# Altium PCB 1166V10.PcbDoc (part 4 of 6)
Units mm, origin at the board's own origin, x right, y up, seen from the top; angles counter-clockwise.
Board outline 155.98 x 100 mm, 8 copper layers (Top Layer, Layer 1, Layer 2, Layer 3, Layer 4, Layer 5, Layer 6, Bottom Layer), stack 1.6 mm thick; 455 components, 271 nets, 1649 pads, 2175 vias.
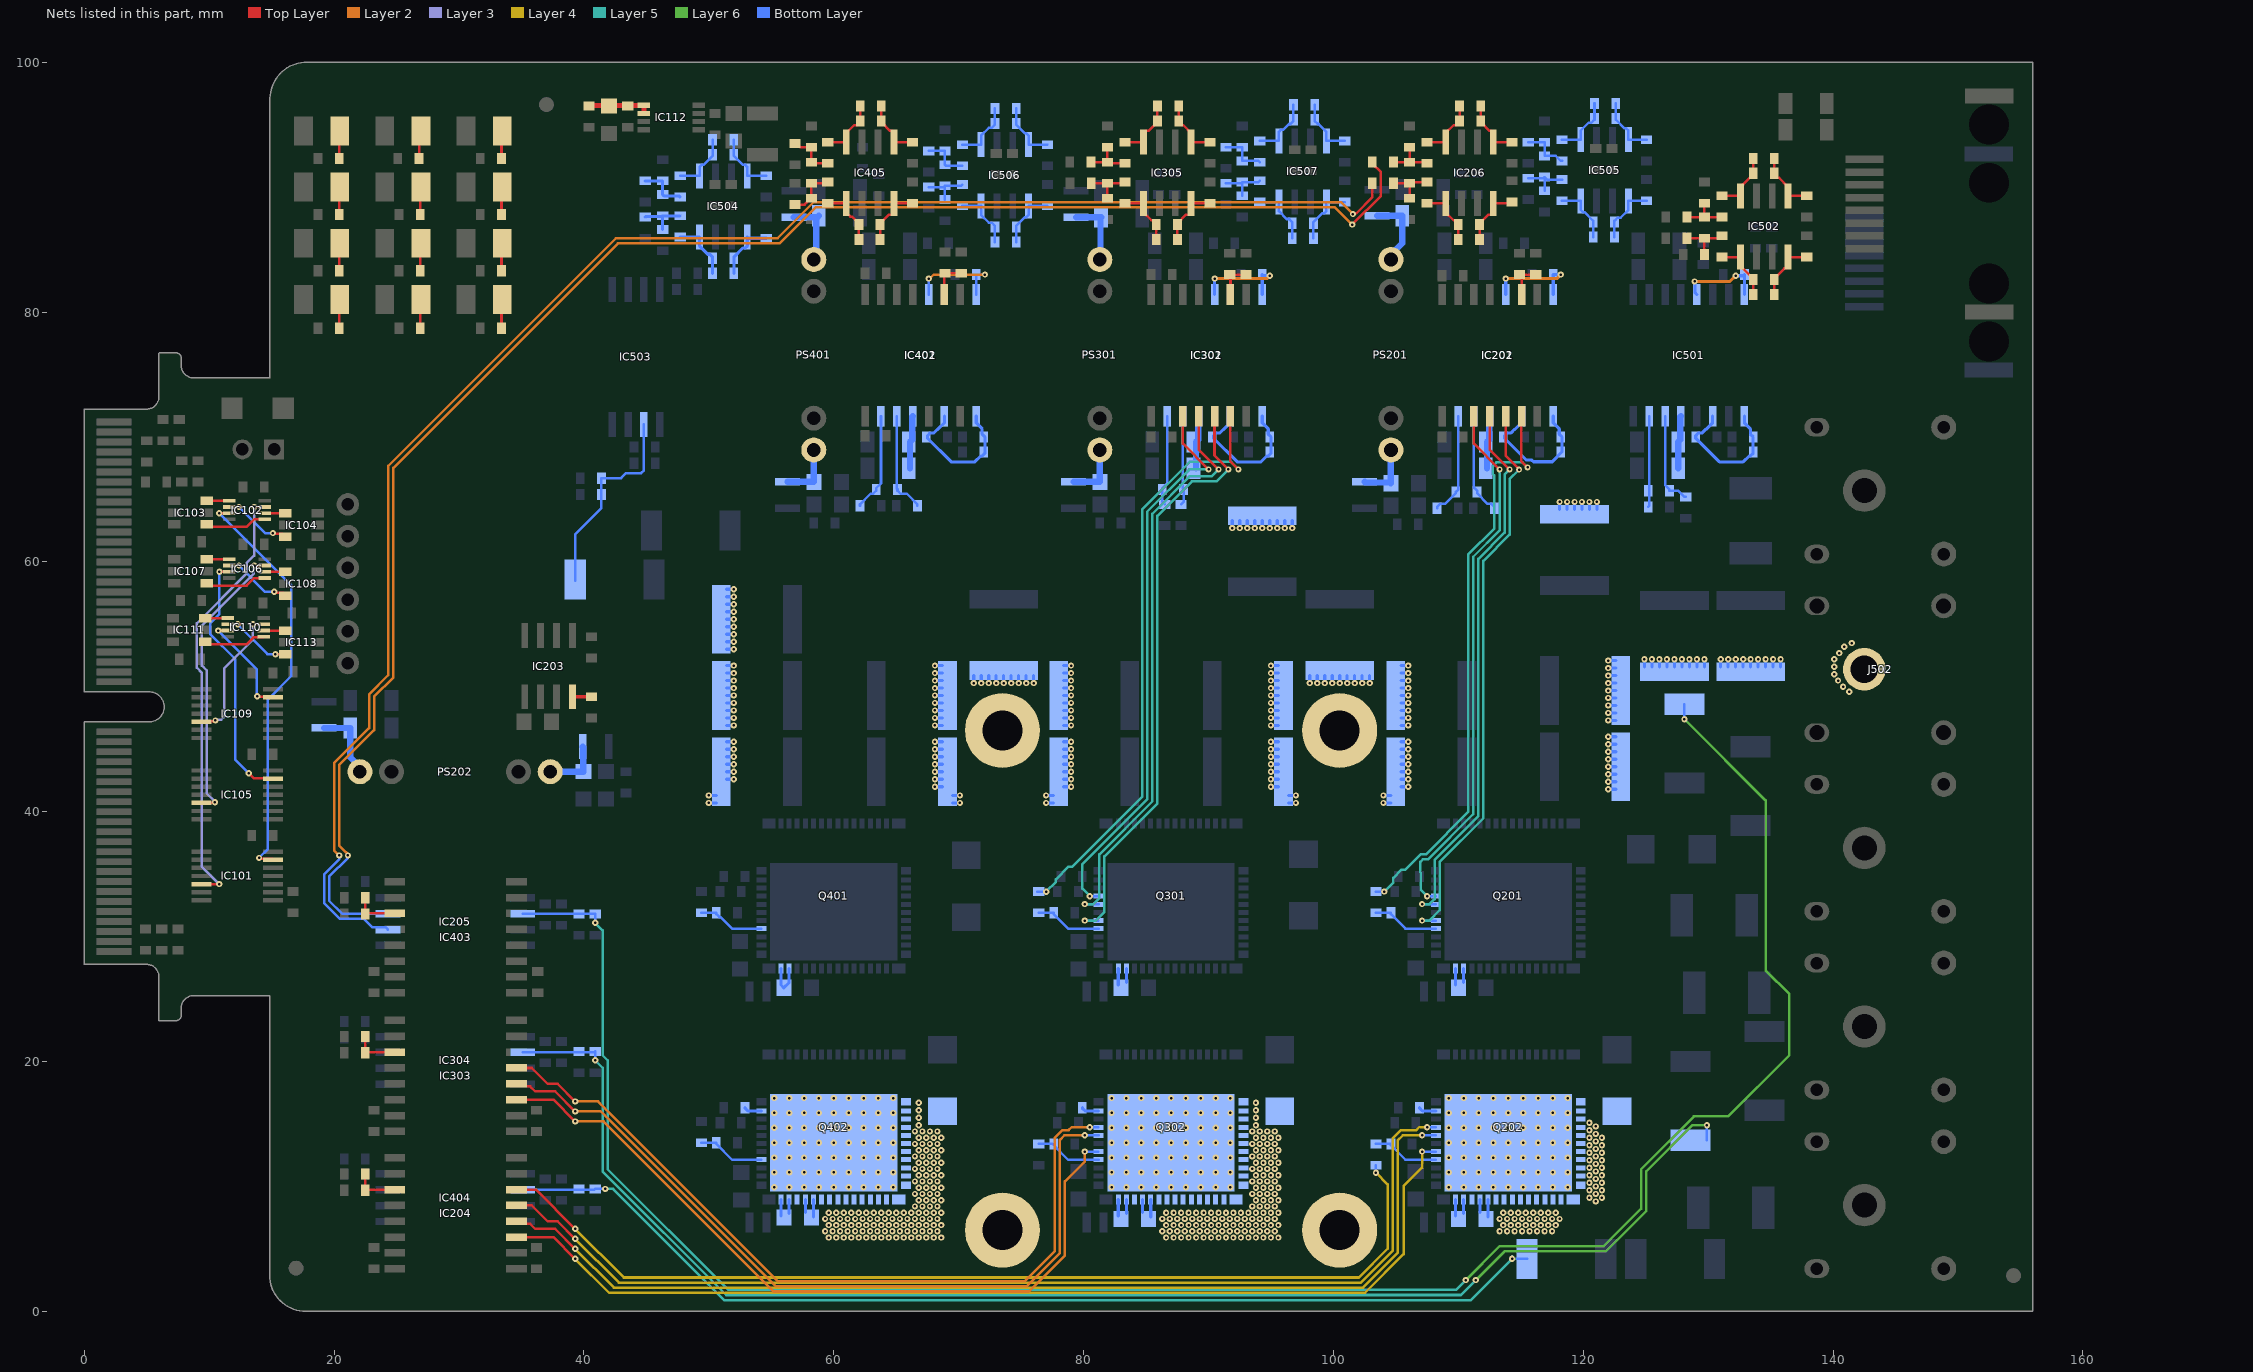
[diagram p10: the nets of this part, all layers, seen from the top]

## Via types
v1: diameter 0.5, hole 0.2, Top Layer to Bottom Layer, 2175 vias

## Nets (pads, with @x,y where several pads share a name; then routed paths per layer and width w, separated by ;. In a path a pad name is that pad's centre, name@x,y a point inside that pad or via, vN(x,y) a via of type N, cw(c..) or ccw(c..) an arc to the next point about the centre after c; other vN are vias at no path point) (continued)
MP: C202.2 C203.2 C204.2 C205.2 C227.2 C302.2 C303.2 C304.2 C305.2 C324.2 C402.2 C403.2 C404.2 C405.2 C424.2 C521.2 C522.2 C523.2 C524.2 C525.2 C526.2 C527.2 D206.1 D306.1 D406.1 J502.1 JX101.1 JX102.1 JX103.1 JX104.1 Q202.17 Q202.18 Q202.19 Q202.20 Q202.21 Q202.22 Q202.23 Q202.24 Q202.25 Q202.26 Q202.27 Q202.28 Q202.29 Q202.30 Q202.31 Q202.32 Q202.33 Q202.34 Q202.35 Q202.36 Q202.37 Q202.38 Q202.39 Q202.40 Q202.55 Q302.17 Q302.18 Q302.19 Q302.20 Q302.21 Q302.22 Q302.23 Q302.24 Q302.25 Q302.26 Q302.27 Q302.28 Q302.29 Q302.30 Q302.31 Q302.32 Q302.33 Q302.34 Q302.35 Q302.36 Q302.37 Q302.38 Q302.39 Q302.40 Q302.55 Q402.17 Q402.18 Q402.19 Q402.20 Q402.21 Q402.22 Q402.23 Q402.24 Q402.25 Q402.26 Q402.27 Q402.28 Q402.29 Q402.30 Q402.31 Q402.32 Q402.33 Q402.34 Q402.35 Q402.36 Q402.37 Q402.38 Q402.39 Q402.40 Q402.55 | length 106.8
  Bottom Layer w0.254: v1(50,40.7) C404.2@50.6,40.7 ; v1(50,41.3) C404.2@50.6,41.3 ; C404.2@51.4,42.6 v1(52,42.6) ; C404.2@51.4,43.2 v1(52,43.2) ; C404.2@51.4,43.8 v1(52,43.8) ; C404.2@51.4,44.4 v1(52,44.4) ; C404.2@51.4,45 v1(52,45) ; C404.2@51.4,45.6 v1(52,45.6) ; C403.2@51.4,46.9 v1(52,46.9) ; C403.2@51.4,47.5 v1(52,47.5) ; C403.2@51.4,48.1 v1(52,48.1) ; C403.2@51.4,48.7 v1(52,48.7) ; C403.2@51.4,49.3 v1(52,49.3) ; C403.2@51.4,49.9 v1(52,49.9) ; C403.2@51.4,50.5 v1(52,50.5) ; C403.2@51.4,51.1 v1(52,51.1) ; C403.2@51.4,51.7 v1(52,51.7) ; C521.2@51.4,53 v1(52,53) ; C521.2@51.4,53.6 v1(52,53.6) ; C521.2@51.4,54.2 v1(52,54.2) ; C521.2@51.4,54.8 v1(52,54.8) ; C521.2@51.4,55.4 v1(52,55.4) ; C521.2@51.4,56 v1(52,56) ; C521.2@51.4,56.6 v1(52,56.6) ; C521.2@51.4,57.2 v1(52,57.2) ; C521.2@51.4,57.8 v1(52,57.8) ; C424.2@57.725,7.925 Q402.39@57.725,8.95 ; C424.2@58.375,7.575 Q402.38@58.375,8.95 ; v1(68.1,42) C402.2@68.7,42 ; v1(68.1,42.6) C402.2@68.7,42.6 ; v1(68.1,43.2) C402.2@68.7,43.2 ; v1(68.1,43.8) C402.2@68.7,43.8 ; v1(68.1,44.4) C402.2@68.7,44.4 ; v1(68.1,45) C402.2@68.7,45 ; v1(68.1,45.6) C402.2@68.7,45.6 ; v1(68.1,46.9) C405.2@68.7,46.9 ; v1(68.1,47.5) C405.2@68.7,47.5 ; v1(68.1,48.1) C405.2@68.7,48.1 ; v1(68.1,48.7) C405.2@68.7,48.7 ; v1(68.1,49.3) C405.2@68.7,49.3 ; v1(68.1,49.9) C405.2@68.7,49.9 ; v1(68.1,50.5) C405.2@68.7,50.5 ; v1(68.1,51.1) C405.2@68.7,51.1 ; v1(68.1,51.7) C405.2@68.7,51.7 ; C402.2@69.5,40.7 v1(70.1,40.7) ; C402.2@69.5,41.3 v1(70.1,41.3) ; v1(71.2,50.3) C525.2@71.2,50.9 ; v1(71.8,50.3) C525.2@71.8,50.9 ; v1(72.4,50.3) C525.2@72.4,50.9 ; v1(73,50.3) C525.2@73,50.9 ; v1(73.6,50.3) C525.2@73.6,50.9 ; v1(74.2,50.3) C525.2@74.2,50.9 ; v1(74.8,50.3) C525.2@74.8,50.9 ; v1(75.4,50.3) C525.2@75.4,50.9 ; v1(76,50.3) C525.2@76,50.9 ; v1(77,40.7) C303.2@77.6,40.7 ; v1(77,41.3) C303.2@77.6,41.3 ; C303.2@78.4,42 v1(79,42) ; C303.2@78.4,42.6 v1(79,42.6) ; C303.2@78.4,43.2 v1(79,43.2) ; C303.2@78.4,43.8 v1(79,43.8) ; C303.2@78.4,44.4 v1(79,44.4) ; C303.2@78.4,45 v1(79,45) ; C303.2@78.4,45.6 v1(79,45.6) ; C304.2@78.4,46.9 v1(79,46.9) ; C304.2@78.4,47.5 v1(79,47.5) ; C304.2@78.4,48.1 v1(79,48.1) ; C304.2@78.4,48.7 v1(79,48.7) ; C304.2@78.4,49.3 v1(79,49.3) ; C304.2@78.4,49.9 v1(79,49.9) ; C304.2@78.4,50.5 v1(79,50.5) ; C304.2@78.4,51.1 v1(79,51.1) ; C304.2@78.4,51.7 v1(79,51.7) ; C324.2@84.725,7.925 Q302.39@84.725,8.95 ; C324.2@85.375,7.575 Q302.38@85.375,8.95 ; v1(91.9,62.7) C523.2@91.9,63.3 ; v1(92.5,62.7) C523.2@92.5,63.3 ; v1(93.1,62.7) C523.2@93.1,63.3 ; v1(93.7,62.7) C523.2@93.7,63.3 ; v1(94.3,62.7) C523.2@94.3,63.3 ; v1(94.9,62.7) C523.2@94.9,63.3 ; v1(95,42) C302.2@95.6,42 ; v1(95,42.6) C302.2@95.6,42.6 ; v1(95,43.2) C302.2@95.6,43.2 ; v1(95,43.8) C302.2@95.6,43.8 ; v1(95,44.4) C302.2@95.6,44.4 ; v1(95,45) C302.2@95.6,45 ; v1(95,45.6) C302.2@95.6,45.6 ; v1(95,46.9) C305.2@95.6,46.9 ; v1(95,47.5) C305.2@95.6,47.5 ; v1(95,48.1) C305.2@95.6,48.1 ; v1(95,48.7) C305.2@95.6,48.7 ; v1(95,49.3) C305.2@95.6,49.3 ; v1(95,49.9) C305.2@95.6,49.9 ; v1(95,50.5) C305.2@95.6,50.5 ; v1(95,51.1) C305.2@95.6,51.1 ; v1(95,51.7) C305.2@95.6,51.7 ; v1(95.5,62.7) C523.2@95.5,63.3 ; v1(96.1,62.7) C523.2@96.1,63.3 ; C302.2@96.4,40.7 v1(97,40.7) ; C302.2@96.4,41.3 v1(97,41.3) ; v1(96.7,62.7) C523.2@96.7,63.3 ; v1(98.1,50.3) C526.2@98.1,50.9 ; v1(98.7,50.3) C526.2@98.7,50.9 ; v1(99.3,50.3) C526.2@99.3,50.9 ; v1(99.9,50.3) C526.2@99.9,50.9 ; v1(100.5,50.3) C526.2@100.5,50.9 ; v1(101.1,50.3) C526.2@101.1,50.9 ; v1(101.7,50.3) C526.2@101.7,50.9 ; v1(102.3,50.3) C526.2@102.3,50.9 ; v1(102.9,50.3) C526.2@102.9,50.9 ; v1(104,40.7) C203.2@104.6,40.7 ; v1(104,41.3) C203.2@104.6,41.3 ; C203.2@105.4,42 v1(106,42) ; C203.2@105.4,42.6 v1(106,42.6) ; C203.2@105.4,43.2 v1(106,43.2) ; C203.2@105.4,43.8 v1(106,43.8) ; C203.2@105.4,44.4 v1(106,44.4) ; C203.2@105.4,45 v1(106,45) ; C203.2@105.4,45.6 v1(106,45.6) ; C204.2@105.4,46.9 v1(106,46.9) ; C204.2@105.4,47.5 v1(106,47.5) ; C204.2@105.4,48.1 v1(106,48.1) ; C204.2@105.4,48.7 v1(106,48.7) ; C204.2@105.4,49.3 v1(106,49.3) ; C204.2@105.4,49.9 v1(106,49.9) ; C204.2@105.4,50.5 v1(106,50.5) ; C204.2@105.4,51.1 v1(106,51.1) ; C204.2@105.4,51.7 v1(106,51.7) ; C227.2@111.725,7.925 Q202.39@111.725,8.95 ; C227.2@112.375,7.575 Q202.38@112.375,8.95 ; C522.2@118.1,64.2 v1(118.1,64.8) ; C522.2@118.7,64.2 v1(118.7,64.8) ; C522.2@119.3,64.2 v1(119.3,64.8) ; C522.2@119.9,64.2 v1(119.9,64.8) ; C522.2@120.5,64.2 v1(120.5,64.8) ; C522.2@121.1,64.2 v1(121.1,64.8) ; v1(122,41.8) C202.2@122.6,41.8 ; v1(122,42.4) C202.2@122.6,42.4 ; v1(122,43) C202.2@122.6,43 ; v1(122,43.6) C202.2@122.6,43.6 ; v1(122,44.2) C202.2@122.6,44.2 ; v1(122,44.8) C202.2@122.6,44.8 ; v1(122,45.4) C202.2@122.6,45.4 ; v1(122,46) C202.2@122.6,46 ; v1(122,47.3) C205.2@122.6,47.3 ; v1(122,47.9) C205.2@122.6,47.9 ; v1(122,48.5) C205.2@122.6,48.5 ; v1(122,49.1) C205.2@122.6,49.1 ; v1(122,49.7) C205.2@122.6,49.7 ; v1(122,50.3) C205.2@122.6,50.3 ; v1(122,50.9) C205.2@122.6,50.9 ; v1(122,51.5) C205.2@122.6,51.5 ; v1(122,52.1) C205.2@122.6,52.1 ; C524.2@124.9,51.6 v1(124.9,52.2) ; C524.2@125.5,51.6 v1(125.5,52.2) ; C524.2@126.1,51.6 v1(126.1,52.2) ; C524.2@126.7,51.6 v1(126.7,52.2) ; C524.2@127.3,51.6 v1(127.3,52.2) ; C524.2@127.9,51.6 v1(127.9,52.2) ; C524.2@128.5,51.6 v1(128.5,52.2) ; C524.2@129.1,51.6 v1(129.1,52.2) ; C524.2@129.7,51.6 v1(129.7,52.2) ; C527.2@131,51.6 v1(131,52.2) ; C527.2@131.6,51.6 v1(131.6,52.2) ; C527.2@132.2,51.6 v1(132.2,52.2) ; C527.2@132.8,51.6 v1(132.8,52.2) ; C527.2@133.4,51.6 v1(133.4,52.2) ; C527.2@134,51.6 v1(134,52.2) ; C527.2@134.6,51.6 v1(134.6,52.2) ; C527.2@135.2,51.6 v1(135.2,52.2) ; C527.2@135.8,51.6 v1(135.8,52.2)
  other v1: 59.6,5.9 60.2,5.9 60.8,5.9 61.4,5.9 62,5.9 62.6,5.9 63.2,5.9 63.8,5.9 64.4,5.9 65,5.9 65.6,5.9 66.2,5.9 66.8,5.9 67.4,5.9 68,5.9 68.6,5.9 86.6,5.9 87.2,5.9 87.8,5.9 88.4,5.9 89,5.9 89.6,5.9 90.2,5.9 90.8,5.9 91.4,5.9 92,5.9 92.6,5.9 93.2,5.9 93.8,5.9 94.4,5.9 95,5.9 95.6,5.9 59.3,6.4 59.9,6.4 60.5,6.4 61.1,6.4 61.7,6.4 62.3,6.4 62.9,6.4 63.5,6.4 64.1,6.4 64.7,6.4 65.3,6.4 65.9,6.4 66.5,6.4 67.1,6.4 67.7,6.4 68.3,6.4 86.3,6.4 86.9,6.4 87.5,6.4 88.1,6.4 88.7,6.4 89.3,6.4 89.9,6.4 90.5,6.4 91.1,6.4 91.7,6.4 92.3,6.4 92.9,6.4 93.5,6.4 94.1,6.4 94.7,6.4 95.3,6.4 113.3,6.4 113.9,6.4 114.5,6.4 115.1,6.4 115.7,6.4 116.3,6.4 116.9,6.4 117.5,6.4 59.6,6.9 60.2,6.9 60.8,6.9 61.4,6.9 62,6.9 62.6,6.9 63.2,6.9 63.8,6.9 64.4,6.9 65,6.9 65.6,6.9 66.2,6.9 66.8,6.9 67.4,6.9 68,6.9 68.6,6.9 86.6,6.9 87.2,6.9 87.8,6.9 88.4,6.9 89,6.9 89.6,6.9 90.2,6.9 90.8,6.9 91.4,6.9 92,6.9 92.6,6.9 93.2,6.9 93.8,6.9 94.4,6.9 95,6.9 95.6,6.9 113.6,6.9 114.2,6.9 114.8,6.9 115.4,6.9 116,6.9 116.6,6.9 117.2,6.9 117.8,6.9 59.3,7.4 59.9,7.4 60.5,7.4 61.1,7.4 61.7,7.4 62.3,7.4 62.9,7.4 63.5,7.4 64.1,7.4 64.7,7.4 65.3,7.4 65.9,7.4 66.5,7.4 67.1,7.4 67.7,7.4 68.3,7.4 86.3,7.4 86.9,7.4 87.5,7.4 88.1,7.4 88.7,7.4 89.3,7.4 89.9,7.4 90.5,7.4 91.1,7.4 91.7,7.4 92.3,7.4 92.9,7.4 93.5,7.4 94.1,7.4 94.7,7.4 95.3,7.4 113.3,7.4 113.9,7.4 114.5,7.4 115.1,7.4 115.7,7.4 116.3,7.4 116.9,7.4 117.5,7.4 118.1,7.4 59.6,7.9 60.2,7.9 60.8,7.9 61.4,7.9 62,7.9 62.6,7.9 63.2,7.9 63.8,7.9 64.4,7.9 65,7.9 65.6,7.9 66.2,7.9 66.8,7.9 67.4,7.9 68,7.9 68.6,7.9 86.6,7.9 87.2,7.9 87.8,7.9 88.4,7.9 89,7.9 89.6,7.9 90.2,7.9 90.8,7.9 91.4,7.9 92,7.9 92.6,7.9 93.2,7.9 93.8,7.9 94.4,7.9 95,7.9 95.6,7.9 113.6,7.9 114.2,7.9 114.8,7.9 115.4,7.9 116,7.9 116.6,7.9 117.2,7.9 117.8,7.9 66.5,8.4 67.1,8.4 67.7,8.4 68.3,8.4 93.5,8.4 94.1,8.4 94.7,8.4 95.3,8.4 121,8.8 66.8,8.9 67.4,8.9 68,8.9 68.6,8.9 93.8,8.9 94.4,8.9 95,8.9 95.6,8.9 120.5,9.1 121.5,9.1 66.5,9.4 67.1,9.4 67.7,9.4 68.3,9.4 93.5,9.4 94.1,9.4 94.7,9.4 95.3,9.4 121,9.4 120.5,9.7 121.5,9.7 66.8,9.9 67.4,9.9 68,9.9 68.6,9.9 93.8,9.9 94.4,9.9 95,9.9 95.6,9.9 55.24,9.93 56.43,9.93 57.62,9.93 58.81,9.93 60,9.93 61.19,9.93 62.38,9.93 63.57,9.93 64.76,9.93 82.24,9.93 83.43,9.93 84.62,9.93 85.81,9.93 87,9.93 88.19,9.93 89.38,9.93 90.57,9.93 91.76,9.93 109.24,9.93 110.43,9.93 111.62,9.93 112.81,9.93 114,9.93 115.19,9.93 116.38,9.93 117.57,9.93 118.76,9.93 121,10 120.5,10.3 121.5,10.3 66.5,10.4 67.1,10.4 67.7,10.4 68.3,10.4 93.5,10.4 94.1,10.4 94.7,10.4 95.3,10.4 121,10.6 66.8,10.9 67.4,10.9 68,10.9 68.6,10.9 93.8,10.9 94.4,10.9 95,10.9 95.6,10.9 120.5,10.9 121.5,10.9 55.24,11.12 56.43,11.12 57.62,11.12 58.81,11.12 60,11.12 61.19,11.12 62.38,11.12 63.57,11.12 64.76,11.12 82.24,11.12 83.43,11.12 84.62,11.12 85.81,11.12 87,11.12 88.19,11.12 89.38,11.12 90.57,11.12 91.76,11.12 109.24,11.12 110.43,11.12 111.62,11.12 112.81,11.12 114,11.12 115.19,11.12 116.38,11.12 117.57,11.12 118.76,11.12 121,11.2 66.5,11.4 67.1,11.4 67.7,11.4 68.3,11.4 93.5,11.4 94.1,11.4 94.7,11.4 95.3,11.4 120.5,11.5 121.5,11.5 121,11.8 66.8,11.9 67.4,11.9 68,11.9 68.6,11.9 93.8,11.9 94.4,11.9 95,11.9 95.6,11.9 120.5,12.1 121.5,12.1 55.24,12.31 56.43,12.31 57.62,12.31 58.81,12.31 60,12.31 61.19,12.31 62.38,12.31 63.57,12.31 64.76,12.31 82.24,12.31 83.43,12.31 84.62,12.31 85.81,12.31 87,12.31 88.19,12.31 89.38,12.31 90.57,12.31 91.76,12.31 109.24,12.31 110.43,12.31 111.62,12.31 112.81,12.31 114,12.31 115.19,12.31 116.38,12.31 117.57,12.31 118.76,12.31 66.5,12.4 67.1,12.4 67.7,12.4 68.3,12.4 93.5,12.4 94.1,12.4 94.7,12.4 95.3,12.4 121,12.4 120.5,12.7 121.5,12.7 66.8,12.9 67.4,12.9 68,12.9 68.6,12.9 93.8,12.9 94.4,12.9 95,12.9 95.6,12.9 121,13 120.5,13.3 121.5,13.3 66.5,13.4 67.1,13.4 67.7,13.4 68.3,13.4 93.5,13.4 94.1,13.4 94.7,13.4 95.3,13.4 55.24,13.5 56.43,13.5 57.62,13.5 58.81,13.5 60,13.5 61.19,13.5 62.38,13.5 63.57,13.5 64.76,13.5 82.24,13.5 83.43,13.5 84.62,13.5 85.81,13.5 87,13.5 88.19,13.5 89.38,13.5 90.57,13.5 91.76,13.5 109.24,13.5 110.43,13.5 111.62,13.5 112.81,13.5 114,13.5 115.19,13.5 116.38,13.5 117.57,13.5 118.76,13.5 121,13.6 66.8,13.9 67.4,13.9 68,13.9 68.6,13.9 93.8,13.9 94.4,13.9 95,13.9 95.6,13.9 120.5,13.9 121.5,13.9 121,14.2 66.5,14.4 67.1,14.4 67.7,14.4 68.3,14.4 93.5,14.4 94.1,14.4 94.7,14.4 95.3,14.4 120.5,14.5 55.24,14.69 56.43,14.69 57.62,14.69 58.81,14.69 60,14.69 61.19,14.69 62.38,14.69 63.57,14.69 64.76,14.69 82.24,14.69 83.43,14.69 84.62,14.69 85.81,14.69 87,14.69 88.19,14.69 89.38,14.69 90.57,14.69 91.76,14.69 109.24,14.69 110.43,14.69 111.62,14.69 112.81,14.69 114,14.69 115.19,14.69 116.38,14.69 117.57,14.69 118.76,14.69 121,14.8 66.8,14.9 93.8,14.9 120.5,15.1 66.8,15.5 93.8,15.5 55.24,15.88 56.43,15.88 57.62,15.88 58.81,15.88 60,15.88 61.19,15.88 62.38,15.88 63.57,15.88 64.76,15.88 82.24,15.88 83.43,15.88 84.62,15.88 85.81,15.88 87,15.88 88.19,15.88 89.38,15.88 90.57,15.88 91.76,15.88 109.24,15.88 110.43,15.88 111.62,15.88 112.81,15.88 114,15.88 115.19,15.88 116.38,15.88 117.57,15.88 118.76,15.88 66.8,16.1 93.8,16.1 66.8,16.7 93.8,16.7 55.24,17.07 56.43,17.07 57.62,17.07 58.81,17.07 60,17.07 61.19,17.07 62.38,17.07 63.57,17.07 64.76,17.07 82.24,17.07 83.43,17.07 84.62,17.07 85.81,17.07 87,17.07 88.19,17.07 89.38,17.07 90.57,17.07 91.76,17.07 109.24,17.07 110.43,17.07 111.62,17.07 112.81,17.07 114,17.07 115.19,17.07 116.38,17.07 117.57,17.07 118.76,17.07 141.3,49.6 140.8,50 140.4,50.5 140.1,51 140.1,51.6 140.1,52.2 140.5,52.7 140.9,53.2 141.5,53.5
NetC101_2: C101.2 C102.2 IC112.1 IC112.2 L101.2 | length 5.1
  Top Layer w0.381: L101.2@40.4,96.5 40.431,96.531 44.781,96.531 IC112.1@44.8,96.55 IC112.2@44.8,95.9
NetC207_2: C207.2 L201.2 PS201.1 | length 5.9
  Bottom Layer w0.508: L201.2@103.5,87.7 C207.2@105.5,87.7 105.5,85.504 104.6,84.604 PS201.1@104.6,84.2
NetC210_2: C210.2 Q201.41 Q201.42 | length 2.4
  Bottom Layer w0.254: C210.2@109.775,26.125 Q201.42@109.775,27.45 ; C210.2@110.425,26.325 Q201.41@110.425,27.45
NetC211_2: C211.2 IC201.13 IC201.16 | length 8
  Layer 2 w0.254: v1(113.79,82.678) 117.878,82.678 v1(118.2,83)
  Bottom Layer w0.254: IC201.13@113.79,81.4 v1(113.79,82.678) ; IC201.16@117.6,81.4 C211.2@117.6,83 v1(118.2,83)
NetC214_2: C214.2 Q201.47 R206.1 | length 5.4
  Bottom Layer w0.203: R206.1@103.4,31.9 C214.2@104.6,31.9 104.6,31.8 105.765,30.635 Q201.47@108.2,30.635
NetC215_1: C215.1 C216.1 C217.1 IC201.1 IC201.3 | length 11.4
  Bottom Layer w0.254: IC201.3@115.06,71.65 115.06,71.125 114.535,70.6 114.5,70.6 114.223,70.323 113.923,70.323 113.7,70.1 113.7,70 113.7,69.9 115.46,68.14 115.893,68.14 116.013,68.02 117.52,68.02 118.3,68.8 118.3,70 118.077,70.223 118.077,70.648 117.6,71.125 IC201.1@117.6,71.65
NetC218_1: C218.1 C219.1 IC201.5 | length 4.2
  Bottom Layer w0.508: C218.1@112.3,67.5 112.3,69.6 112.474,69.774 112.474,71.604 IC201.5@112.52,71.65
NetC220_1: C220.1 IC201.7 R210.2 | length 8.3
  Bottom Layer w0.203: R210.2@108.3,64.3 108.3,64.4 108.548,64.648 108.948,64.648 109.8,65.5 C220.1@109.8,65.6 110,65.8 110,68.8 109.98,68.82 IC201.7@109.98,71.65
NetC220_2: C220.2 IC201.6 R209.2 | length 8.2
  Bottom Layer w0.203: IC201.6@111.25,71.65 111.25,65.95 111.5,65.7 C220.2@111.5,65.6 111.5,65.5 112.352,64.648 112.652,64.648 112.9,64.4 R209.2@112.9,64.3
NetC221_2: C221.2 IC202.11 R208.1 | length 3
  Top Layer w0.203: IC202.11@115.06,81.4 115.06,82.84 R208.1@114.9,83 C221.2@116.2,83
NetC223_2: C223.2 L204.2 PS202.1 | length 5.9
  Bottom Layer w0.508: L204.2@19.2,46.7 C223.2@21.3,46.7 21.3,44.364 22.06,43.604 PS202.1@22.06,43.2
NetC226_2: C226.2 Q202.53 | length 1.4
  Bottom Layer w0.254: C226.2@106.9,16.3 106.9,16.258 107.123,16.035 Q202.53@108.2,16.035
NetC227_1: C227.1 Q202.41 Q202.42 | length 2.4
  Bottom Layer w0.254: C227.1@109.775,7.625 Q202.42@109.775,8.95 ; C227.1@110.425,7.825 Q202.41@110.425,8.95
NetC229_2: C229.2 IC203.4 | length 1.5
  Top Layer w0.254: IC203.4@39.07,49.2 C229.2@40.6,49.2
NetC230_2: C230.2 Q202.47 R213.1 | length 5.4
  Bottom Layer w0.203: R213.1@103.4,13.4 C230.2@104.6,13.4 104.6,13.3 105.765,12.135 Q202.47@108.2,12.135
NetC231_2: C231.2 IC204.11 R214.1 | length 3.7
  Top Layer w0.203: C231.2@22.5,11 R214.1@22.5,9.7 22.55,9.75 IC204.11@24.85,9.75
NetC232_1: C232.1 IC206.8 R215.1 R217.2 | length 5
  Top Layer w0.203: R217.2@107.5,93.6 IC206.8@108.99,93.6 108.99,94.325 109.617,94.952 109.852,94.952 110.1,95.2 R215.1@110.1,96.5
NetC232_2: C232.2 IC206.5 R215.2 R216.1 | length 4.9
  Top Layer w0.203: R215.2@111.8,96.5 C232.2@111.8,95.3 111.8,95.2 112.502,94.498 112.627,94.498 112.8,94.325 IC206.5@112.8,93.6 R216.1@114.3,93.6
NetC233_1: C233.1 C234.2 R217.1 R218.2 | length 3.9
  Top Layer w0.203: R218.2@104.8,92 C234.2@106.1,92 ; C233.1@106.1,93.2 C234.2@106.1,92 ; R217.1@107.5,91.9 107.4,92 C234.2@106.1,92
NetC234_1: C234.1 C236.2 R222.1 R223.2 | length 3.9
  Top Layer w0.203: R223.2@104.8,90.3 C234.1@106.1,90.3 ; C236.2@106.1,89.1 C234.1@106.1,90.3 ; R222.1@107.5,90.4 106.2,90.4 C234.1@106.1,90.3
NetC235_2: C235.2 IC205.2 R219.1 R224.1 | length 166.5
  Layer 6 w0.203: v1(110.6,2.5) 113.306,5.206 121.632,5.206 124.642,8.217 124.642,11.382 128.86,15.6 131.6,15.6 136.5,20.5 136.5,25.4 134.6,27.3 134.6,40.9 v1(128.1,47.4)
  Layer 5 w0.203: v1(40.9,31.1) 41.5,30.5 41.5,20.5 41.906,20.094 41.906,11.368 51.562,1.713 109.813,1.713 v1(110.6,2.5)
  Bottom Layer w0.203: IC205.2@35.1,31.83 35.115,31.815 R224.1@40.9,31.815 ; v1(40.9,31.1) R224.1@40.9,31.8 ; v1(128.1,47.4) R219.1@128.1,48.6
NetC237_1: C237.1 IC206.1 R222.2 R225.1 | length 4.9
  Top Layer w0.203: R222.2@107.5,88.7 IC206.1@108.99,88.7 108.99,87.975 109.617,87.348 109.752,87.348 110,87.1 C237.1@110,87 R225.1@110,85.8
NetC237_2: C237.2 IC206.4 R221.1 R225.2 | length 5
  Top Layer w0.203: R225.2@111.7,85.8 C237.2@111.7,87 111.7,87.1 112.402,87.802 112.627,87.802 112.8,87.975 IC206.4@112.8,88.7 R221.1@114.3,88.7
NetC307_2: C307.2 L301.2 PS301.1 | length 5.3
  Bottom Layer w0.508: L301.2@79.4,87.6 C307.2@81.4,87.6 81.35,87.55 81.35,84.35 PS301.1@81.3,84.3
NetC310_1: C310.1 Q301.41 Q301.42 | length 2.4
  Bottom Layer w0.254: C310.1@82.775,26.125 Q301.42@82.775,27.45 ; C310.1@83.425,26.325 Q301.41@83.425,27.45
NetC311_2: C311.2 IC301.13 IC301.16 | length 8
  Top Layer w0.254: v1(90.49,82.678) v1@90.5,82.668
  Layer 2 w0.254: v1(90.49,82.678) 94.678,82.678 v1(94.9,82.9)
  Bottom Layer w0.254: IC301.13@90.49,81.4 v1(90.49,82.678) ; IC301.16@94.3,81.4 C311.2@94.3,83 94.4,82.9 v1(94.9,82.9)
NetC314_2: C314.2 Q301.47 R306.1 | length 5.4
  Bottom Layer w0.203: R306.1@76.4,31.9 C314.2@77.6,31.9 77.6,31.8 78.765,30.635 Q301.47@81.2,30.635
NetC315_1: C315.1 C316.1 C317.1 IC301.1 IC301.3 | length 11.4
  Bottom Layer w0.254: IC301.3@91.76,71.65 91.76,71.125 91.235,70.6 91.2,70.6 90.923,70.323 90.623,70.323 90.4,70.1 90.4,70 90.4,69.9 92.3,68 94.2,68 94.677,68.477 94.777,68.477 95,68.7 95,68.8 95,70 94.777,70.223 94.777,70.648 94.3,71.125 IC301.1@94.3,71.65
NetC318_1: C318.1 C319.1 IC301.5 | length 4.2
  Bottom Layer w0.508: C319.1@89,67.5 89,69.6 89.174,69.774 89.174,71.604 IC301.5@89.22,71.65
NetC320_1: C320.1 IC301.7 R310.2 | length 7.3
  Bottom Layer w0.203: R310.2@86.5,64.6 86.3,64.8 C320.1@86.3,65.8 86.3,65.9 86.68,66.28 IC301.7@86.68,71.65
NetC320_2: C320.2 IC301.6 R309.2 | length 7.2
  Bottom Layer w0.203: R309.2@87.8,64.6 88,64.8 C320.2@88,65.8 87.945,65.855 87.945,70.576 87.95,70.581 IC301.6@87.95,71.65